# Allegro board RK_EVB1_RK3576_LP4XD200P132SD6_V12_20240530YWQ.brd (continued)
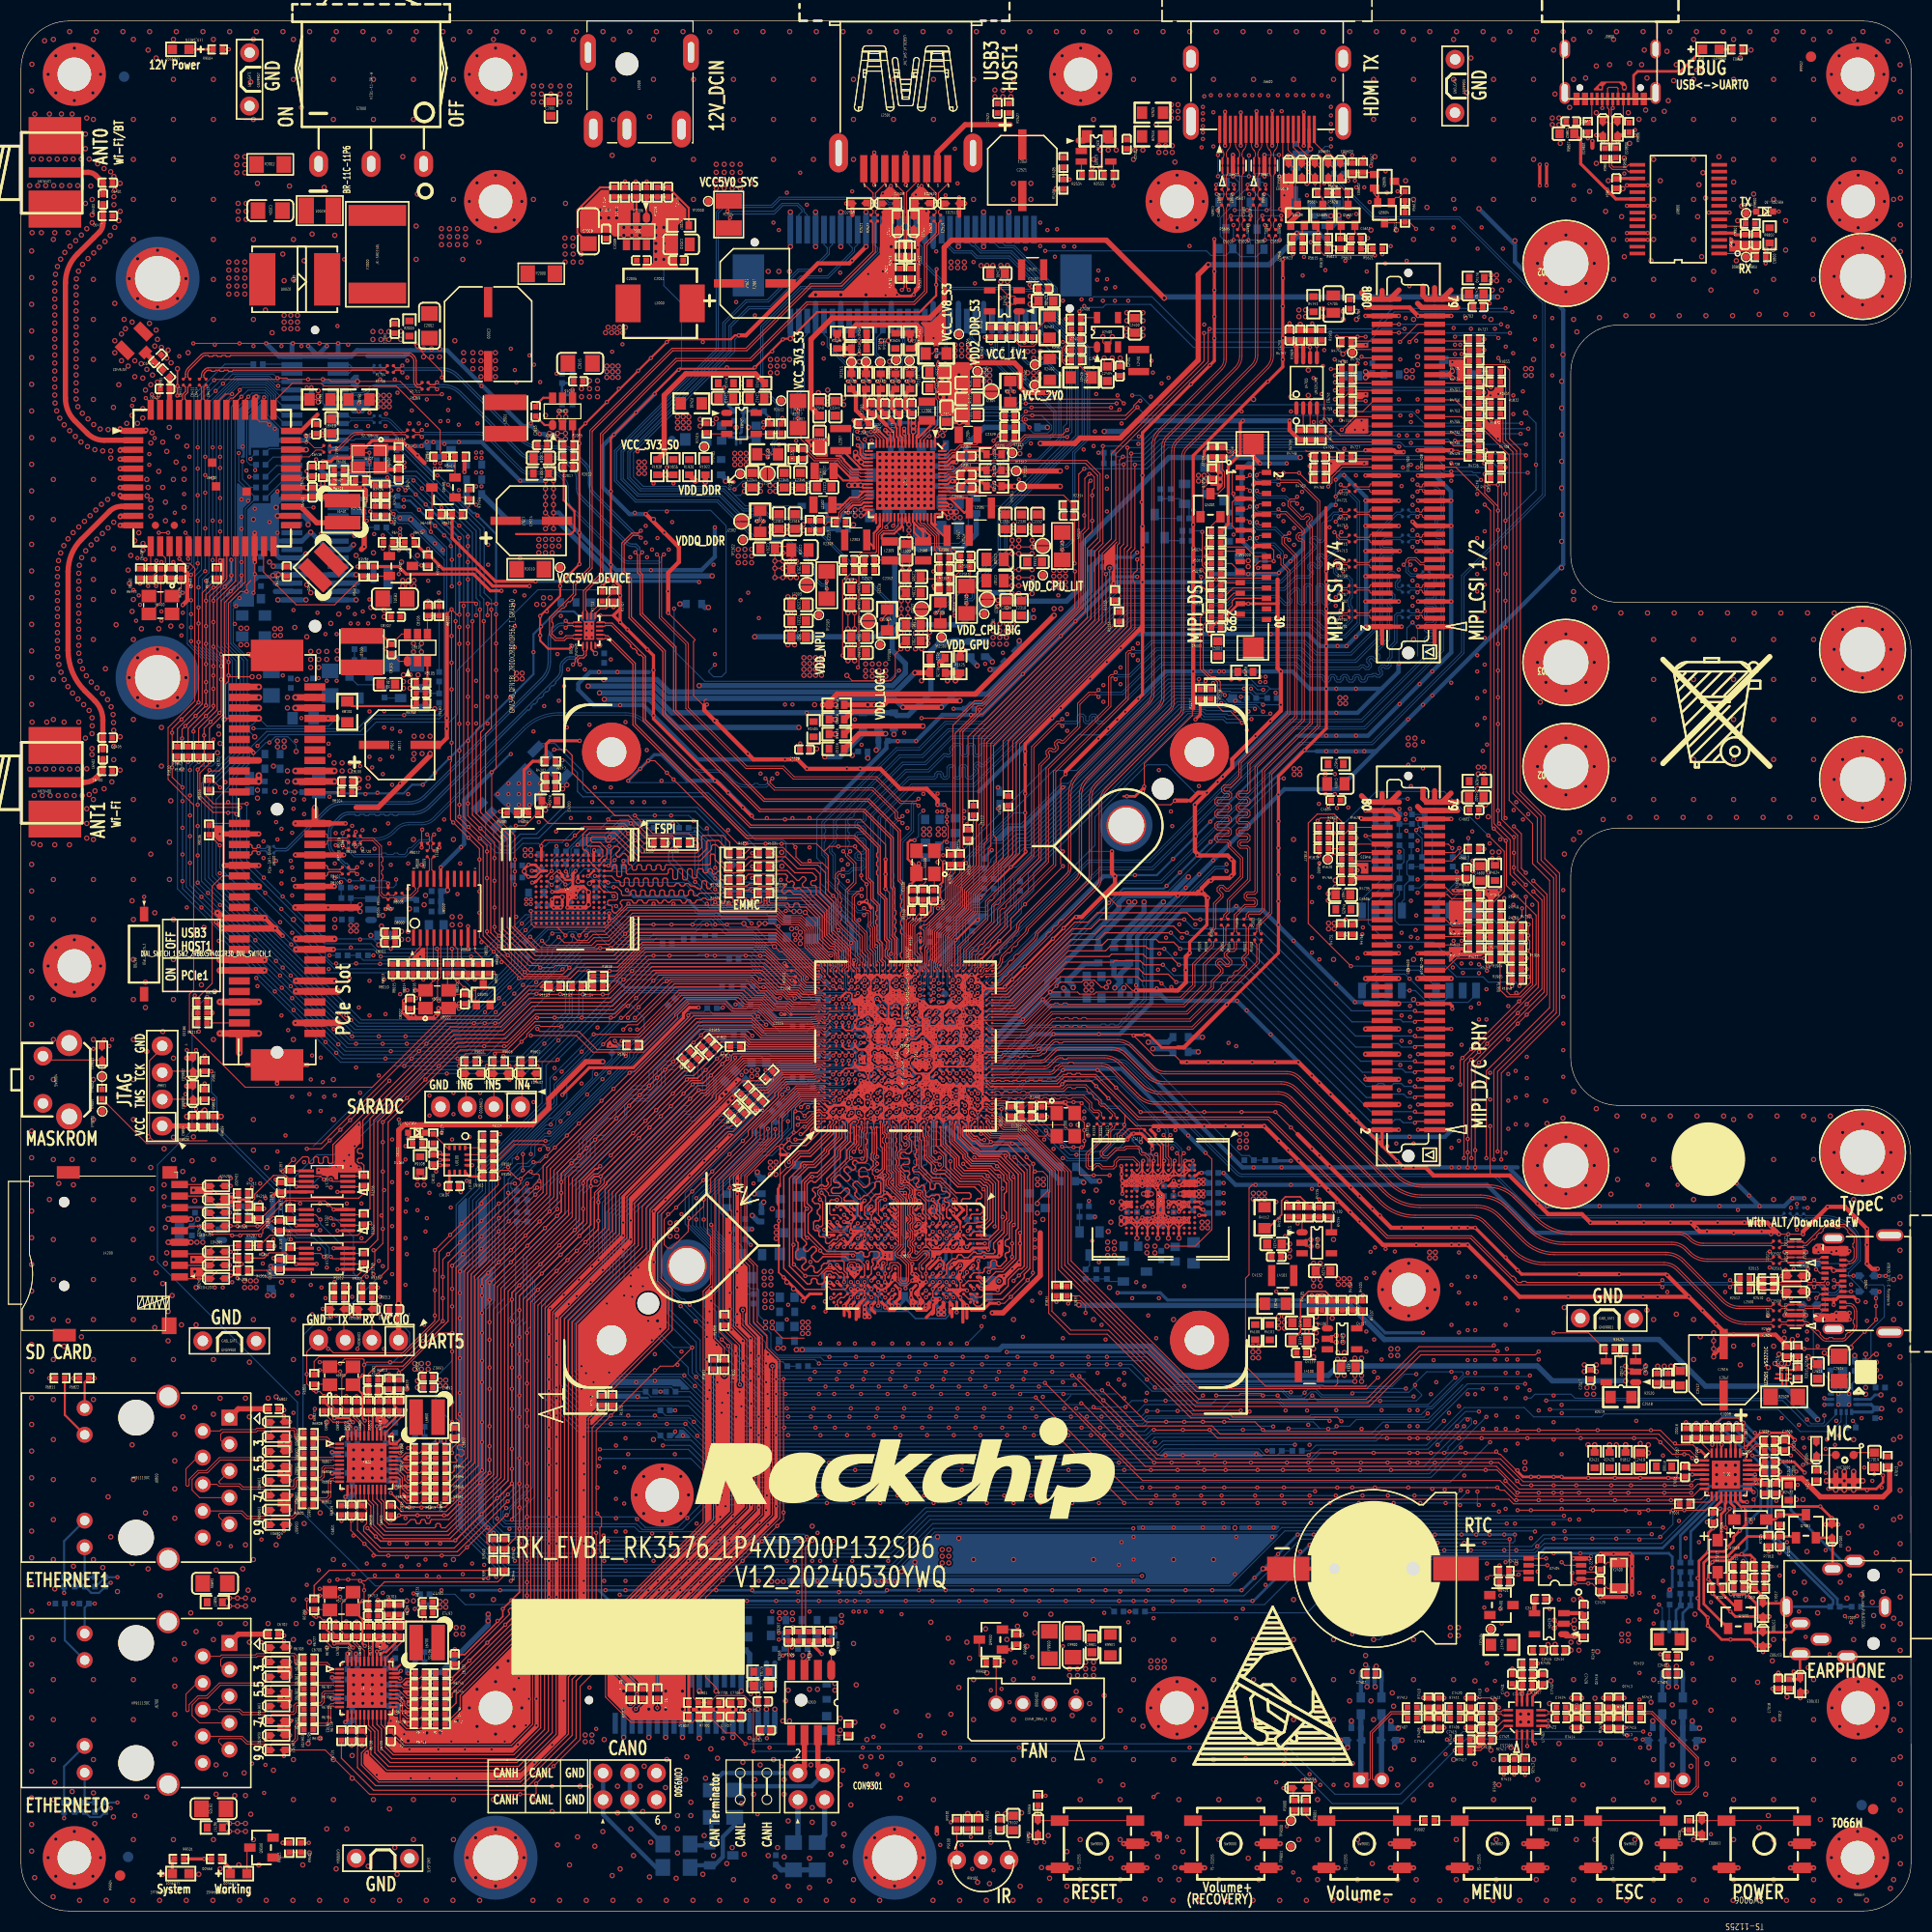
[diagram p0: board, top side]
## Placement (name value [footprint] x y rotation side) (continued)
NOREF#32  -  []  60.78 128.85 90 top
NOREF#33  -  []  103.9 117.75 0 top
NOREF#34  -  []  79.72 97.1 0 top
NOREF#35  -  []  155.98 59.86 0 top
NOREF#36  -  []  125.22 128.39 270 top
NOREF#37  -  []  78.53 100.58 90 top
NOREF#38  -  []  133.34 130.6 180 top
NOREF#39  -  []  111.04 93.16 90 top
NOREF#40  -  []  163.11 59.64 180 top
NOREF#41  -  []  132.76 83.33 0 top
NOREF#42  -  []  132.76 78.53 0 top
NOREF#43  -  []  133.34 133 180 top
NOREF#44  -  []  39.28 145.37 0 top
NOREF#45  -  []  77.94 99 0 top
NOREF#46  -  []  108.63 88.34 90 top
NOREF#47  -  []  110.28 90.11 90 top
NOREF#48  -  []  58.69 131.23 0 top
NOREF#49  -  []  120.18 20.65 0 top
NOREF#50  -  []  108.88 91.64 90 top
NOREF#51  -  []  132.76 77.48 0 top
NOREF#52  -  []  132.76 75.08 0 top
NOREF#53  -  []  112.31 94.43 90 top
NOREF#54  -  []  126.02 133 180 top
NOREF#55  -  []  125.3 130.97 90 top
NOREF#56  -  []  110.78 94.43 90 top
NOREF#57  -  []  132.76 79.88 0 top
NOREF#58  -  []  102.28 116.07 0 top
NOREF#59  -  []  58.71 129.74 270 bottom
NOREF#60  -  []  121.2 134.25 0 bottom
NOREF#61  -  []  119.99 129.36 270 bottom
NOREF#62  -  []  120.44 130.79 0 bottom
NOREF#63  -  []  114.47 99.26 0 bottom
NOREF#64  -  []  71.34 107.51 90 bottom
NOREF#65  -  []  37.83 140.61 0 bottom
NOREF#66  -  []  85.13 105.48 0 bottom
NOREF#67  -  []  119.42 136.05 0 bottom
NOREF#68  -  []  83.61 103.83 0 bottom
NOREF#69  -  []  119.42 133.05 0 bottom
Q3800  WNM2016-3/TR  [SOT_23]  69.63 61.41 0 bottom
Q3801  WNM2021-3/TR  [SOT_323]  68.18 67.62 90 bottom
Q4100  WPM2015-3/TR  [SOT_23]  106.09 60.9 90 bottom
Q4101  S8050  [SOT_23]  101.77 63.57 0 bottom
Q5000  WPM2341-3/TR  [SOT_23]  111.93 134.96 90 bottom
Q5001  S8050  [SOT_23]  113.28 133.89 0 top
Q5002  S8050  [SOT_23]  107.98 131.9 180 bottom
Q5600  WNM6002-3/TR  [SOT_323]  117.73 159.22 180 bottom
Q5601  WNM6002-3/TR  [SOT_323]  114.75 163.69 180 bottom
Q5602  WNM6002-3/TR  [SOT_323]  114.75 159.27 180 bottom
Q5603  WNM6002-3/TR  [SOT_323]  117.73 163.69 180 bottom
Q5604  2SK3018  [SOT_323]  129.86 161.73 180 top
Q5605  2SK3018  [SOT_323]  123.98 161.49 0 top
Q5606  2SK3018  [SOT_323]  129.86 164.73 270 top
Q5607  2SK3018  [SOT_323]  126.39 161.49 0 top
Q5608  2SK3018  [SOT_323]  121.57 161.49 0 top
Q6400  S8050  [SOT_23]  40.23 135.57 90 top
Q6401  S8050  [SOT_23]  36.17 128.1 270 top
Q7000  WNM2016-3/TR  [SOT_23]  163.54 28.01 0 top
Q7001  WNM2016-3/TR  [SOT_23]  169.99 36.65 0 top
Q8000  2SK3018  [SOT_323]  44.02 87.26 0 top
Q8100  WPM3407-3/TR  [SOT_23]  32.24 116.61 0 bottom
Q8101  S8050  [SOT_23]  37.25 115.51 270 bottom
Q9500  S8050  [SOT_23]  22.9 6.04 90 top
Q9900  WNM3003-3/TR  [SOT_23]  92.37 25.85 90 top
R1100  22R  [R0402]  85.92 96.76 270 top
R1101  510K  [R0402]  85.4 95.28 180 top
R1102  10K  [R0402]  52.93 88.08 180 top
R1103  23.2K  [R0402]  50.81 88.08 180 top
R1104  10K  [R0402]  54.97 88.08 0 top
R1105  10K  [R0402]  90.34 114.5 0 bottom
R1106  0R  [R0402]  89.43 100.12 90 top
R1107  0R  [R0201]  85.66 93.39 270 top
R1108  0R  [R0201]  84.86 84.39 270 bottom
R1109  0R  [R0402]  95.16 97.61 90 bottom
R1110  0R  [R0402]  88.54 100.12 90 top
R1111  0R  [R0402]  117.19 115.51 180 bottom
R1112  0R  [R0402]  90.7 104.82 90 top
R1113  NC/0R  [R0402]  119.14 115.51 0 bottom
R1114  0R  [R0402]  90.19 102.53 90 top
R1115  0R  [R0402]  174.28 46.05 180 bottom
R1116  0R  [R0402]  88.33 94.02 90 bottom
R1117  0R  [R0402]  91.75 97.83 90 bottom
R1118  0R  [R0402]  92.64 97.83 90 bottom
R1119  0.1R  [R0603]  87.58 120.18 270 bottom
R1120  0R  [R0402]  85.66 90.21 90 bottom
R1121  100K  [R0402]  91.75 99.77 270 bottom
R1122  0R  [R0402]  87.44 93.39 90 bottom
R1123  0R  [R0402]  86.55 92.75 90 bottom
R1124  NC/0.1R  [R0603]  87.29 119.32 0 top
R1125  0.1R  [R0603]  89.45 118.65 90 top
R1126  NC/0.1R  [R0603]  87.29 117.93 180 top
R1127  2.2K  [R0402]  112.31 115.9 90 top
R1128  2.2K  [R0402]  113.32 115.9 90 top
R1129  NC/0R  [R0402]  38.46 30.17 180 bottom
R1130  0R  [R0402]  38.46 29.13 180 bottom
R1131  0R  [R0402]  104.56 123.26 90 top
R1132  0.1R  [R0603]  77.68 110.69 0 top
R1133  0R  [R0402]  104.18 125.29 90 top
R1134  2.2K  [R0402]  103.58 137.87 0 bottom
R1135  2.2K  [R0402]  103.58 138.88 0 bottom
R1136  0.1R  [R0603]  83.13 113.39 270 bottom
R1137  0R  [R0402]  94.02 105.74 90 top
R1138  2.2K  [R0402]  104.2 128.48 270 bottom
R1139  2.2K  [R0402]  103.06 128.48 270 bottom
R1140  0R  [R0402]  106.59 28.52 0 bottom
R1141  0.1R  [R0603]  101.89 128.6 90 bottom
R1142  NC/0R  [R0402]  104.56 28.52 180 bottom
R1146  0.1R  [R0603]  77.73 149.53 270 top
R1147  0.1R  [R0603]  90.97 133.82 90 bottom
R1148  0.1R  [R0603]  77.68 112.09 180 top
R1200  240R  [R0201]  85.62 77.91 270 bottom
R1201  240R  [R0201]  82.15 78.21 90 bottom
R1202  0R  [R0402]  70.53 66.11 90 bottom
R1203  NC/0R  [R0201]  80.18 78.66 180 bottom
R1300  22R  [R0402]  95.73 76.6 0 top
R1301  8.2K  [R0201]  90.21 78.6 315 bottom
R1302  510K  [R0402]  94.26 76.14 270 top
R1303  0R  [R0201]  93.12 77.77 0 bottom
R1304  0R  [R0201]  91.53 75.56 0 bottom
R1305  0R  [R0201]  93.12 78.4 0 bottom
R1306  0R  [R0201]  93.54 75.89 0 bottom
R1307  0R  [R0201]  94.39 76.73 0 bottom
R1308  0.1R  [R0603]  110.44 83.22 0 bottom
R1309  0R  [R0201]  94.39 77.37 0 bottom
R1310  0R  [R0201]  79.83 89.49 90 bottom
R1313  0R  [R0201]  104.39 75.24 270 top
R1314  0R  [R0201]  103.75 75.24 270 top
R1318  0R  [R0201]  103.12 75.24 270 top
R1319  0R  [R0201]  102.48 75.24 270 top
R1320  0.1R  [R0603]  99.72 69.5 0 bottom
R1323  0.1R  [R0603]  99.72 70.88 0 bottom
R1324  0.1R  [R0603]  110.44 81.82 0 bottom
R1328  0R  [R0402]  70.75 99.48 180 top
R1329  0R  [R0402]  67.95 98.21 180 top
R1330  0R  [R0402]  70.75 98.21 180 top
R1331  0R  [R0402]  70.75 100.75 180 top
R1332  0R  [R0402]  67.95 99.48 180 top
R1333  0R  [R0402]  67.95 100.75 180 top
R1334  0R  [R0402]  67.95 96.94 180 top
R1335  0R  [R0402]  70.75 96.94 180 top
R1336  0R  [R0402]  63.13 103.16 180 bottom
R1337  0R  [R0402]  63.13 101.76 180 bottom
R1338  0R  [R0402]  60.71 103.16 180 bottom
R1339  0R  [R0402]  60.71 101.76 180 bottom
R1340  NC/0R  [R0402]  70.75 99.48 180 bottom
R1341  NC/0R  [R0402]  68.18 99.32 135 bottom
R1342  NC/0R  [R0402]  70.75 98.21 180 bottom
R1343  NC/0R  [R0402]  70.75 100.75 180 bottom
R1346  0.1R  [R0603]  66.68 137.51 90 bottom
R1350  NC/0R  [R0402]  63.13 101.76 180 top
R1352  NC/0R  [R0402]  60.71 101.76 180 top
R1353  22R  [R0402]  76.37 86.79 180 bottom
R1354  0.1R  [R0603]  64.09 124.48 180 bottom
R1355  0.1R  [R0603]  23.79 60.02 90 bottom
R1356  NC/0R  [R0402]  32.66 69.54 270 top
R1357  NC/0R  [R0402]  25.67 70.04 270 top
R1358  NC/0R  [R0402]  32.66 62.17 270 top
R1359  NC/0R  [R0402]  25.67 62.67 270 top
R1360  NC/10K  [R0402]  22.64 66.44 270 top
R1361  NC/10K  [R0402]  23.18 63.38 180 top
R1362  NC/0R  [R0402]  32.66 65.85 270 top
R1363  NC/0R  [R0402]  25.67 66.35 270 top
R1400  8.2K  [R0201]  91.06 82.76 0 bottom
R1401  200R  [R0201]  90.72 80.23 0 bottom
R1402  200R  [R0201]  91.57 83.64 270 bottom
R1403  0.1R  [R0603]  102.61 91.02 90 bottom
R1404  0.1R  [R0603]  95.11 123.34 180 bottom
R1405  10K  [R0402]  99.28 166.52 90 top
R1406  20K  [R0402]  99.28 164.45 270 top
R1407  0.1R  [R0603]  79.81 150.23 180 top
R1408  NC/0.1R  [R0603]  79.81 148.81 180 top
R1409  0.1R  [R0603]  105.54 91.02 90 bottom
R1410  NC/0.1R  [R0603]  104.09 91.02 90 bottom
R1411  NC/0.1R  [R0603]  70.11 145.5 0 top
R1412  0.1R  [R0603]  67.13 145.5 180 top
R1500  0.1R  [R0603]  77.68 113.48 180 top
R1501  0.1R  [R0603]  89 120.18 90 bottom
R1502  0.1R  [R0603]  84.67 149.53 270 top
R1503  NC/0.1R  [R0603]  83.27 149.53 270 top
R1504  0.1R  [R0603]  94.25 119.43 45 bottom
R1505  0.1R  [R0603]  75.48 112.55 90 top
R1506  0.1R  [R0603]  91.83 120.18 90 bottom
R1507  0.1R  [R0603]  80.19 113.39 90 bottom
R1600  8.2K  [R0201]  89.89 87.24 90 bottom
R1602  0.1R  [R0603]  90.41 120.18 90 bottom
R1700  0.1R  [R0603]  77.68 114.88 180 top
R1701  0.1R  [R0603]  81.66 113.39 90 bottom
R1702  0.1R  [R0603]  52.13 124.63 0 bottom
R1703  NC/0R  [R0201]  35.18 147.17 180 bottom
R1704  0R  [R0201]  35.18 147.17 180 top
R1705  NC/0R  [R0201]  35.18 146.54 180 bottom
R1706  0R  [R0201]  35.18 146.54 180 top
R1707  100K  [R0402]  56.43 125.18 90 top
R1708  NC/0R  [R0201]  38.48 144.94 180 bottom
R1709  0R  [R0201]  38.48 144.94 180 top
R1710  NC/0R  [R0201]  38.48 145.57 180 bottom
R1711  0R  [R0201]  38.48 145.57 180 top
R1712  10K  [R0402]  55.36 125.18 270 top
R1713  NC/0R  [R0201]  37.09 140.4 180 bottom
R1714  0R  [R0201]  37.09 140.4 180 top
R1715  NC/0R  [R0201]  37.09 141.04 180 bottom
R1716  0R  [R0201]  37.09 141.04 180 top
R1719  NC/0R  [R0201]  32.03 102.4 0 top
R1720  NC/0R  [R0201]  32.03 101.76 0 top
R1800  2.2K  [R0402]  64.05 18.51 0 top
R1801  2.2K  [R0402]  64.05 19.85 0 top
R1802  0R  [R0402]  71.84 76.55 225 bottom
R1803  0R  [R0402]  72.19 75.47 225 bottom
R1804  0R  [R0402]  69.76 58.3 270 bottom
R1805  NC/0R  [R0402]  68.75 58.3 270 bottom
R1806  0R  [R0402]  70.26 74.46 225 bottom
R1807  0R  [R0402]  74.49 51.89 0 bottom
R1808  0R  [R0402]  66.99 56.24 270 top
R1809  NC/0R  [R0402]  72.53 51.89 180 bottom
R1810  0R  [R0402]  66.99 52.04 270 top
R1811  NC/0R  [R0402]  65.95 52.04 270 top
R1812  0.1R  [R0603]  152.82 42.94 270 top
R1813  0R  [R0402]  76.34 88.72 135 bottom
R1814  0R  [R0402]  48.58 91.19 225 bottom
R1815  0R  [R0402]  63.57 92.55 180 bottom
R1816  0R  [R0402]  61.54 92.17 180 bottom
R1817  0R  [R0402]  47.75 92 225 bottom
R1818  0R  [R0402]  54.97 89.03 180 top
R1819  0R  [R0402]  67.89 90.67 180 bottom
R1820  0R  [R0402]  15.92 110.43 90 top
R1821  0R  [R0402]  17.95 110.43 90 top
R1822  0R  [R0402]  16.93 110.43 90 top
R1823  0R  [R0402]  65.6 92.93 180 bottom
R1824  0R  [R0402]  32.58 91.01 0 bottom
R1825  NC/0R  [R0402]  30.65 91.01 180 bottom
R1826  0.1R  [R0603]  43.16 134.93 180 bottom
R1827  0R  [R0402]  124.07 102.19 0 top
R1828  NC/0R  [R0402]  124.07 101.17 0 top
R1829  NC/0R  [R0402]  124.07 103.2 0 top
R1830  0R  [R0402]  140.45 142.58 180 top
R1831  NC/0R  [R0402]  140.45 143.59 180 top
R1832  0R  [R0402]  140.45 145.63 180 top
R1833  NC/0R  [R0402]  140.45 146.64 180 top
R1834  0R  [R0402]  98.61 59.04 270 top
R1835  NC/0R  [R0402]  99.61 59.04 270 top
R1836  0.1R  [R0603]  62.13 137.51 90 top
R1837  NC/0.1R  [R0603]  62.13 137.51 90 bottom
R1838  NC/0.1R  [R0603]  60.6 137.51 90 top
R1839  NC/0R  [R0402]  132.42 101.95 90 bottom
R1840  NC/0R  [R0402]  132.42 99.92 270 bottom
R1841  0R  [R0402]  132.42 97.89 270 bottom
R1842  0R  [R0402]  14.9 110.43 90 top
R1843  NC/0R  [R0402]  131.27 101.95 90 bottom
R1844  NC/0R  [R0402]  131.27 99.92 90 bottom
R1845  2.2K  [R0402]  131.27 103.98 270 bottom
R1846  2.2K  [R0402]  130.13 103.98 270 bottom
R1847  0R  [R0402]  131.27 97.89 270 bottom
R1849  NC/0R  [R0402]  130.13 101.95 90 bottom
R1850  NC/0R  [R0402]  130.13 99.92 270 bottom
R1852  0R  [R0402]  130.13 97.89 270 bottom
R1853  NC/0R  [R0402]  15.92 110.43 90 bottom
R1854  NC/0R  [R0402]  17.95 110.43 90 bottom
R1855  NC/0R  [R0402]  16.93 110.43 90 bottom
R1856  NC/0R  [R0402]  14.9 110.43 90 bottom
R1900  0R  [R0402]  47.21 68.15 90 bottom
R1901  NC/0R  [R0402]  47.21 66.11 270 bottom
R1902  0R  [R0402]  48.21 66.11 270 bottom
R1903  NC/0R  [R0402]  48.21 68.15 90 bottom
R1904  0R  [R0402]  142.45 91.75 0 top
R1905  NC/0R  [R0402]  142.45 90.73 0 top
R1906  NC/0R  [R0402]  142.45 92.76 0 top
R1907  0R  [R0402]  58.25 82.46 180 top
R1908  0R  [R0402]  56.59 82.02 225 bottom
R1909  4.7K  [R0402]  122.85 150.08 270 top
R1910  4.7K  [R0402]  123.85 150.08 270 top
R1911  0R  [R0402]  61.96 86.56 225 bottom
R1912  0R  [R0402]  65.86 81.95 225 top
R1913  0R  [R0402]  68.02 82.32 180 top
R1914  0R  [R0402]  76.27 83.56 180 bottom
R1915  0R  [R0402]  65.17 82.63 225 top
R1916  2.2K  [R0402]  65.81 85.98 180 bottom
R1917  2.2K  [R0402]  69.01 86.33 0 bottom
R1918  0R  [R0402]  64.08 80.85 225 top
R1919  0R  [R0402]  63.4 81.54 225 top
R1920  0R  [R0402]  66.44 83.1 180 bottom
R1921  0R  [R0402]  68.34 83.43 180 bottom
R1922  0.1R  [R0603]  65.18 137.51 90 top
R1923  NC/0.1R  [R0603]  65.18 137.51 90 bottom
R1924  0R  [R0402]  55.31 48.62 270 top
R1925  0R  [R0402]  56.32 48.62 270 top
R1926  2.2K  [R0402]  61.34 45.28 180 bottom
R1927  2.2K  [R0402]  59.94 49.46 180 bottom
R1928  0R  [R0402]  68.9 78.14 225 top
R1929  0R  [R0402]  69.62 77.42 225 top
R1930  0R  [R0402]  67.84 76.33 225 top
R1931  0R  [R0402]  71.26 79.66 225 top
R1932  0R  [R0402]  70.3 76.74 225 top
R1933  0R  [R0402]  68.52 75.65 225 top
R1934  2.2K  [R0402]  61.34 47.68 180 bottom
R1935  2.2K  [R0402]  61.89 49.46 0 bottom
R1936  NC/0.1R  [R0603]  63.65 137.51 90 top
R1937  0.1R  [R0603]  63.65 137.51 90 bottom
R1938  0R  [R0402]  45 32.9 270 top
R1939  0R  [R0402]  30.94 97.48 180 bottom
R1940  NC/0R  [R0402]  45 34.94 90 top
R1941  NC/0R  [R0402]  32.99 97.48 0 bottom
R1942  0R  [R0402]  46.04 34.94 90 top
R1943  0R  [R0402]  121.53 43.82 0 bottom
R1944  NC/0R  [R0402]  46.04 32.9 270 top
R1945  NC/0R  [R0402]  119.62 43.82 180 bottom
R1946  0R  [R0402]  140.42 95.81 180 top
R1947  NC/0R  [R0402]  140.42 94.79 180 top
R1948  NC/0R  [R0402]  142.45 88.7 0 top
R1949  0R  [R0402]  73.95 84.27 180 bottom
R1950  NC/0R  [R0402]  142.45 89.71 0 top
R1951  0R  [R0402]  75.86 78.43 180 bottom
R1952  0R  [R0402]  76.37 81.43 180 bottom
R1953  0R  [R0402]  73.95 79.37 180 bottom
R2000  0.01R  [R1206]  49.55 155.93 0 top
R2001  2R  [R1210]  28.45 161.94 180 top
R2002  1K  [R1206]  23.73 166.34 180 top
R2003  NC  [R0603]  37 150.72 270 top
R2004  0.01R  [R1210]  67.4 161.56 90 top
R2005  300K  [R0402]  56.5 163.7 270 top
R2006  220K  [R0402]  60.61 163.7 270 top
R2007  NC/10K  [R0603]  62.87 160.54 180 top
R2008  51K  [R0402]  57.52 163.7 90 top
R2009  30K  [R0402]  59.59 163.7 90 top
R2010  0.01R  [R1206]  48.5 127.78 0 top
R2011  NC/300K  [R0402]  51.53 145.97 270 bottom
R2012  232K  [R0402]  52.14 138.58 0 top
R2013  NC/10K  [R0603]  49.52 136.91 0 top
R2014  51K  [R0402]  51.53 143.94 270 bottom
R2015  30K  [R0402]  52.14 139.59 180 top
R2016  51K  [R0402]  52.53 145.97 270 bottom
R2300  0.02R  [R0805]  87.56 123.62 90 top
R2301  0.01R  [R1206]  90.05 124.89 270 top
R2302  49.9K  [R0402]  87.93 126.87 0 top
R2303  NC/100R  [R0402]  87.93 128.85 0 top
R2304  100R  [R0402]  89.93 128.04 180 top
R2305  100K  [R0402]  87.93 125.9 180 top
R2306  0.02R  [R0805]  70.39 132.35 90 top
R2307  0.01R  [R1206]  76.74 126.27 270 top
R2308  22K  [R0402]  75.14 131.96 270 top
R2309  NC/100R  [R0402]  78.86 127.68 0 top
R2310  100K  [R0402]  78.08 132.26 0 top
R2311  0.02R  [R0805]  94.22 144.7 270 top
R2312  0.01R  [R1206]  99.17 129.99 270 top
R2313  120K  [R0402]  94.16 141.38 0 top
R2314  100R  [R0402]  99.79 133.88 0 top
R2315  100K  [R0402]  94.16 140.41 180 top
R2316  0.02R  [R0805]  87.16 148.33 180 top
R2317  0.01R  [R1206]  74 142.53 90 top
R2318  0.02R  [R0805]  71.11 138.73 0 top
R2319  0.02R  [R0805]  82.48 122.96 270 top
R2320  100R  [R0402]  73.5 138.76 90 top
R2321  100R  [R0402]  80.81 127.68 180 top
R2322  0.02R  [R0603]  92.67 137.2 0 top
R2324  0R  [R0402]  83.23 141.74 180 bottom
R2325  0.05R  [R0603]  92.67 135.68 0 top
R2326  0.02R  [R0603]  96.08 141.3 0 bottom
R2327  0.05R  [R0603]  92.67 138.73 0 top
R2328  0.05R  [R0603]  79.08 145.67 90 top
R2329  0.05R  [R0603]  80.48 145.67 90 top
R2330  200K  [R0402]  76.78 132.06 270 bottom
R2331  0.02R  [R0603]  81.88 145.67 90 top
R2332  200K  [R0402]  78.31 131.56 0 bottom
R2333  0.02R  [R0603]  83.27 145.67 90 top
R2334  0.05R  [R0603]  84.67 145.67 90 top
R2400  NC/0R  [R0805]  97.98 146.82 90 top
R2401  0.02R  [R0805]  100.97 146.05 180 top
R2402  0.02R  [R0805]  97.96 150.84 270 top
R2403  100K  [R0402]  93.33 150.35 90 top
R2404  249K  [R0402]  100.48 150.67 0 top
R2405  100K  [R0402]  100.48 147.7 0 top
R2406  10K  [R0402]  96.31 150.35 90 top
R2407  120K  [R0402]  92.37 150.35 270 top
R2408  100K  [R0402]  100.48 151.64 180 top
R2409  0R  [R0805]  64.26 140.15 180 bottom
R2410  0R  [R0805]  63.83 143.58 180 top
R2411  10K  [R0402]  70.31 142.85 180 bottom
R2412  10K  [R0402]  71.33 141.18 270 top
R2413  100K  [R0402]  68.35 141.92 180 bottom
R2414  100K  [R0402]  72.39 141.18 90 top
R2415  2.2K  [R0402]  65.32 141.23 90 top
R2416  NC/100K  [R0402]  68.35 142.85 0 bottom
R2417  0R  [R0805]  140.99 25.34 180 top
R2418  100K  [R0402]  148.82 26.61 90 top
R2419  0R  [R0805]  156.98 25.88 0 top
R2420  0R  [R0603]  151.3 42.94 270 top
R2421  NC/0R  [R0603]  149.87 42.94 270 top
R2422  0R  [R0603]  168.35 39.85 90 top
R2423  10K  [R0402]  141.26 32.4 0 top
R2424  0R  [R0402]  34.72 135.33 270 top
R2425  0R  [R0402]  32.3 136.25 180 top
R2426  0R  [R0402]  33.74 135.33 270 top
R2427  0R  [R0603]  43.16 137.76 180 bottom
R2429  NC/0R  [R0603]  43.16 136.32 180 bottom
R2500  100K  [R0201]  169.14 65.55 90 bottom
R2501  0R  [R0402]  174.64 51.89 270 bottom
R2502  100K  [R0201]  169.13 66.69 270 bottom
R2503  2M  [R0201]  169.77 65.55 270 bottom
R2504  2M  [R0201]  169.77 66.69 90 bottom
R2505  0R  [R0201]  167.19 55.66 0 top
R2506  0R  [R0201]  167.19 56.3 0 top
R2507  0R  [R0201]  167.19 61.66 0 top
R2508  0R  [R0201]  167.19 62.3 0 top
R2509  NC/0R  [R1206]  167.93 48.97 0 top
R2510  0R  [R0402]  166.39 59.24 0 top
R2512  2.2R  [R0402]  164.16 59.24 0 top
R2513  2.2R  [R0402]  164.16 60.26 0 top
R2514  4.7K  [R0402]  118.96 71.51 0 bottom
R2515  47K  [R0402]  169.2 51.25 270 top
R2516  0R  [R0402]  166.39 60.26 0 top
R2517  NC/20K  [R0402]  116.96 71.51 180 bottom
R2518  13K  [R0402]  169.2 53.28 90 top
R2519  NC/0R  [R0805]  152.38 48.95 0 top
R2520  NC/10K  [R0402]  156.85 50.74 90 top
R2521  0R  [R0201]  80.95 161.23 90 top
R2522  0R  [R0201]  81.58 161.23 90 top
R2523  100K  [R0402]  151.3 53.5 0 top
R2524  3.3K  [R0402]  153.27 53.5 180 top
R2525  0R  [R0805]  107.77 171.27 180 top
R2526  NC/0R  [R0805]  102.51 169.01 180 top
R2527  NC/10K  [R0402]  94.07 171.69 90 top
R2528  NC/0R  [R0805]  107.77 169.01 180 top
R2529  0R  [R0402]  83.72 158.11 90 top
R2530  2.2R  [R0402]  83.72 155.97 90 top
R2531  2.2R  [R0402]  84.73 155.97 90 top
R2532  0R  [R0402]  84.73 158.11 90 top
R2533  NC/10K  [R0402]  103.59 165.34 180 top
R2534  3.3K  [R0402]  101.49 165.34 0 top
R3802  240R  [R0201]  91 63.57 0 bottom
R3804  240R  [R0201]  91 62.28 0 bottom
R3806  0R  [R0603]  72.97 57.06 180 bottom
R3807  0R  [R0805]  74.11 67.06 90 bottom
R3808  NC/0R  [R0805]  73.27 62.57 180 bottom
R3809  0R  [R0603]  70.53 69.03 270 bottom
R3810  100K  [R0402]  68.52 63.98 180 bottom
R3811  10K  [R0402]  68.52 65.91 0 bottom
R3812  NC/0R  [R0603]  72.94 54.3 180 bottom
R4000  10K  [R0402]  51.44 100.9 0 bottom
R4001  NC/10K  [R0402]  56.92 99.47 180 bottom
R4002  0.1R  [R0603]  49.44 99.89 90 bottom
R4003  0.1R  [R0603]  49.06 96.97 180 bottom
R4004  0R  [R0402]  53.36 100.9 180 bottom
R4005  NC/47K  [R0402]  51.44 99.74 180 bottom
R4006  NC/10K  [R0402]  58.45 100.69 45 bottom
R4100  0R  [R0603]  117.55 55.12 90 top
R4101  NC/0R  [R0603]  118.94 55.12 90 top
R4102  0.02R  [R0805]  119.46 57.83 0 top
R4103  232K  [R0402]  125.83 57.68 270 top
R4104  510K  [R0402]  124.87 57.68 270 top
R4105  10K  [R0402]  122.94 57.68 270 top
R4106  100K  [R0402]  123.9 57.68 90 top
R4107  49.9K  [R0402]  127.78 57.68 90 top
R4108  0.02R  [R0805]  111.67 62.68 90 bottom
R4109  100K  [R0402]  102.4 60.65 270 bottom
R4110  1K  [R0402]  101.39 60.65 90 bottom
R4111  10K  [R0402]  101.26 67.13 180 bottom
R4112  NC/0.02R  [R0805]  118.43 66.03 90 top
R4113  100K  [R0402]  122.66 66.57 270 top
R4114  100K  [R0402]  124.61 66.57 90 top
R4115  100K  [R0402]  121.69 66.57 270 top
R4116  100K  [R0402]  120.75 66.57 90 top
R4201  10K  [R0402]  19.41 67.12 0 bottom
R4202  100K  [R0402]  21.43 67.12 0 bottom
R4203  4.7K  [R0402]  17.02 66.51 180 bottom
R4206  22R  [R0402]  21.15 62.19 180 top
R4207  22R  [R0402]  21.15 63.38 180 top
R4208  22R  [R0402]  21.15 61.01 180 top
R4209  22R  [R0402]  21.15 65.99 180 top
R4210  22R  [R0402]  21.15 67.16 180 top
R4211  100R  [R0402]  21.15 68.35 180 top
R4300  2.2K  [R0402]  48.78 104.59 0 top
R4301  10K  [R0402]  46.75 104.59 180 top
R4302  10K  [R0402]  50.46 109.49 0 top
R4304  0R  [R0603]  50.33 105.74 180 top
R4611  0R  [R0402]  138.38 91.75 180 top
R4612  0R  [R0402]  138.38 92.76 180 top
R4613  0R  [R0402]  138.38 93.78 180 top
R4614  0R  [R0402]  138.38 95.81 180 top
R4615  NC/0R  [R0402]  138.38 94.79 180 top
R4616  0R  [R0402]  138.38 96.83 180 top
R4617  0R  [R0402]  138.38 101.14 180 top
R4618  0R  [R0402]  137.37 99.92 90 bottom
R4619  0R  [R0402]  136.35 99.92 90 bottom
R4620  0R  [R0402]  126.23 101.17 180 top
R4621  0R  [R0402]  128.99 99.92 270 bottom
R4622  0R  [R0402]  133.43 99.92 90 bottom
R4623  0R  [R0402]  126.23 102.19 0 top
R4624  0R  [R0603]  140.38 98.87 270 top
R4625  0R  [R0603]  125.95 95.39 180 top
R4626  0R  [R0603]  138.65 107.61 180 top
R4627  0R  [R0603]  125.21 109.23 180 top
R4628  NC/0R  [R0402]  126.23 103.2 180 top
R4700  0R  [R0201]  131.86 123.2 0 bottom
R4701  0R  [R0201]  126.78 123.2 180 top
R4702  0R  [R0201]  126.78 125.6 180 top
R4703  0R  [R0201]  131.86 126.23 0 bottom
R4704  0R  [R0201]  131.86 123.83 0 bottom
R4705  0R  [R0201]  126.78 123.83 180 top
R4706  0R  [R0201]  131.86 125.6 0 bottom
R4707  0R  [R0201]  126.78 126.23 180 top
R4708  0R  [R0201]  133.81 127.54 180 bottom
R4709  0R  [R0201]  126.78 128 180 top
R4710  0R  [R0201]  133.81 126.91 180 bottom
R4711  0R  [R0201]  126.78 128.63 180 top
R4712  0R  [R0201]  131.86 130.4 0 bottom
R4713  0R  [R0201]  126.78 130.4 180 top
R4714  0R  [R0201]  131.86 131.03 0 bottom
R4715  0R  [R0201]  126.78 131.03 180 top
R4716  0R  [R0201]  131.86 132.8 0 bottom
R4717  0R  [R0201]  126.78 132.8 180 top
R4718  0R  [R0201]  131.86 133.43 0 bottom
R4719  0R  [R0201]  126.78 133.43 180 top
R4720  0R  [R0201]  134.14 135.2 180 bottom
R4721  0R  [R0201]  126.78 135.2 180 top
R4722  0R  [R0201]  134.14 135.83 180 bottom
R4723  0R  [R0201]  126.78 135.83 180 top
R4726  0R  [R0402]  138.38 138.51 180 top
R4727  0R  [R0402]  126.23 138.48 180 top
R4728  0R  [R0402]  138.38 139.53 180 top
R4729  0R  [R0402]  138.38 140.55 180 top
R4730  0R  [R0402]  138.38 141.56 180 top
R4731  0R  [R0402]  125.7 93.47 270 top
R4732  0R  [R0402]  138.38 142.58 180 top
R4733  0R  [R0402]  126.23 142.79 180 top
R4734  0R  [R0402]  138.38 147.66 180 top
R4735  0R  [R0402]  126.23 99.12 180 top
R4736  0R  [R0402]  138.38 148.67 180 top
R4737  0R  [R0402]  138.38 149.69 180 top
R4738  0R  [R0603]  139.17 146.33 180 bottom
R4739  0R  [R0603]  130.53 146.33 0 bottom
R4740  0R  [R0603]  138.65 155.52 180 top
R4741  0R  [R0603]  123.1 153.03 270 top
R4742  0R  [R0402]  128.99 103.98 90 bottom
R4743  0R  [R0402]  133.69 103.98 90 bottom
R4744  NC/0R  [R0402]  132.47 103.98 90 bottom
R4745  0R  [R0402]  126.23 149.42 0 top
R4746  0R  [R0402]  140.42 90.73 0 top
R4747  NC/0R  [R0402]  140.42 91.75 0 top
R4748  2.2K  [R0402]  122.85 140.56 90 top
R4749  0R  [R0402]  140.42 93.78 0 top
R4750  NC/0R  [R0402]  140.42 92.76 0 top
R4751  NC/0R  [R0402]  142.45 93.78 180 top
R4752  100R  [R0402]  140.42 136.47 180 top
R4753  0R  [R0402]  138.38 144.61 180 top
R4754  120R  [R0402]  140.42 137.5 0 top
R4755  NC/0R  [R0402]  138.38 143.59 180 top
R4756  0R  [R0402]  138.38 145.63 180 top
R4757  NC/0R  [R0402]  138.38 146.64 180 top
R4758  2.2K  [R0402]  123.87 140.56 90 top
R4759  0R  [R0402]  126.23 144.83 0 top
R4760  100R  [R0402]  123.69 136.44 0 top
R4761  NC/0R  [R0402]  126.23 143.81 180 top
R4762  120R  [R0402]  123.69 137.46 180 top
R4763  0R  [R0402]  126.23 145.84 0 top
R4764  NC/0R  [R0402]  126.23 146.86 0 top
R4765  NC/0R  [R0402]  126.81 93.47 90 top
R4766  NC/0R  [R0402]  126.23 100.16 0 top
R4767  200K  [R0402]  121.83 150.08 270 top
R4768  0R  [R0402]  121.83 140.56 90 top
R5000  0R  [R0201]  118.13 92.78 270 top
R5001  0R  [R0201]  117.49 92.78 90 top
R5002  0R  [R0201]  117.11 94.17 90 top
R5003  0R  [R0201]  116.48 94.17 270 top
R5004  0R  [R0201]  115.97 92.78 270 top
R5005  0R  [R0201]  115.33 92.78 90 top
R5006  0R  [R0201]  114.95 94.17 90 top
R5007  0R  [R0201]  114.32 94.17 270 top
R5008  0R  [R0201]  113.81 92.78 270 top
R5009  0R  [R0201]  113.17 92.78 90 top
R5010  0R  [R0402]  113.81 129.34 0 top
R5011  0R  [R0402]  113.81 130.36 180 top
R5012  100R  [R0402]  113.81 128.33 0 top
R5013  0R  [R0402]  113.81 127.36 180 top
R5014  0R  [R0402]  113.81 126.27 0 top
R5015  0R  [R0402]  113.81 125.28 180 top
R5016  0R  [R0402]  113.81 124.26 0 top
R5017  0R  [R0402]  113.81 123.25 180 top
R5018  0.1R  [R0603]  116.61 118.01 0 top
R5019  0.1R  [R0603]  115.03 131.18 270 bottom
R5020  100K  [R0402]  108.51 134.96 270 bottom
R5021  47K  [R0402]  114.4 138.93 270 top
R5022  100K  [R0402]  113.45 138.93 270 top
R5023  10K  [R0402]  110.8 132.63 180 bottom
R5024  47K  [R0402]  113.81 131.38 180 top
R5025  10K  [R0402]  111.05 131.44 180 bottom
R5026  100K  [R0402]  113.45 136.88 90 top